# Altium PCB 通讯转换模块-V6.PcbDoc (part 1 of 2)
Units mm, origin at the board's own origin, x right, y up, seen from the top; angles counter-clockwise.
Board outline 99.4 x 81.85 mm, 2 copper layers (Top Layer, Bottom Layer), stack 1.571 mm thick; 126 components, 155 nets, 618 pads, 476 vias.
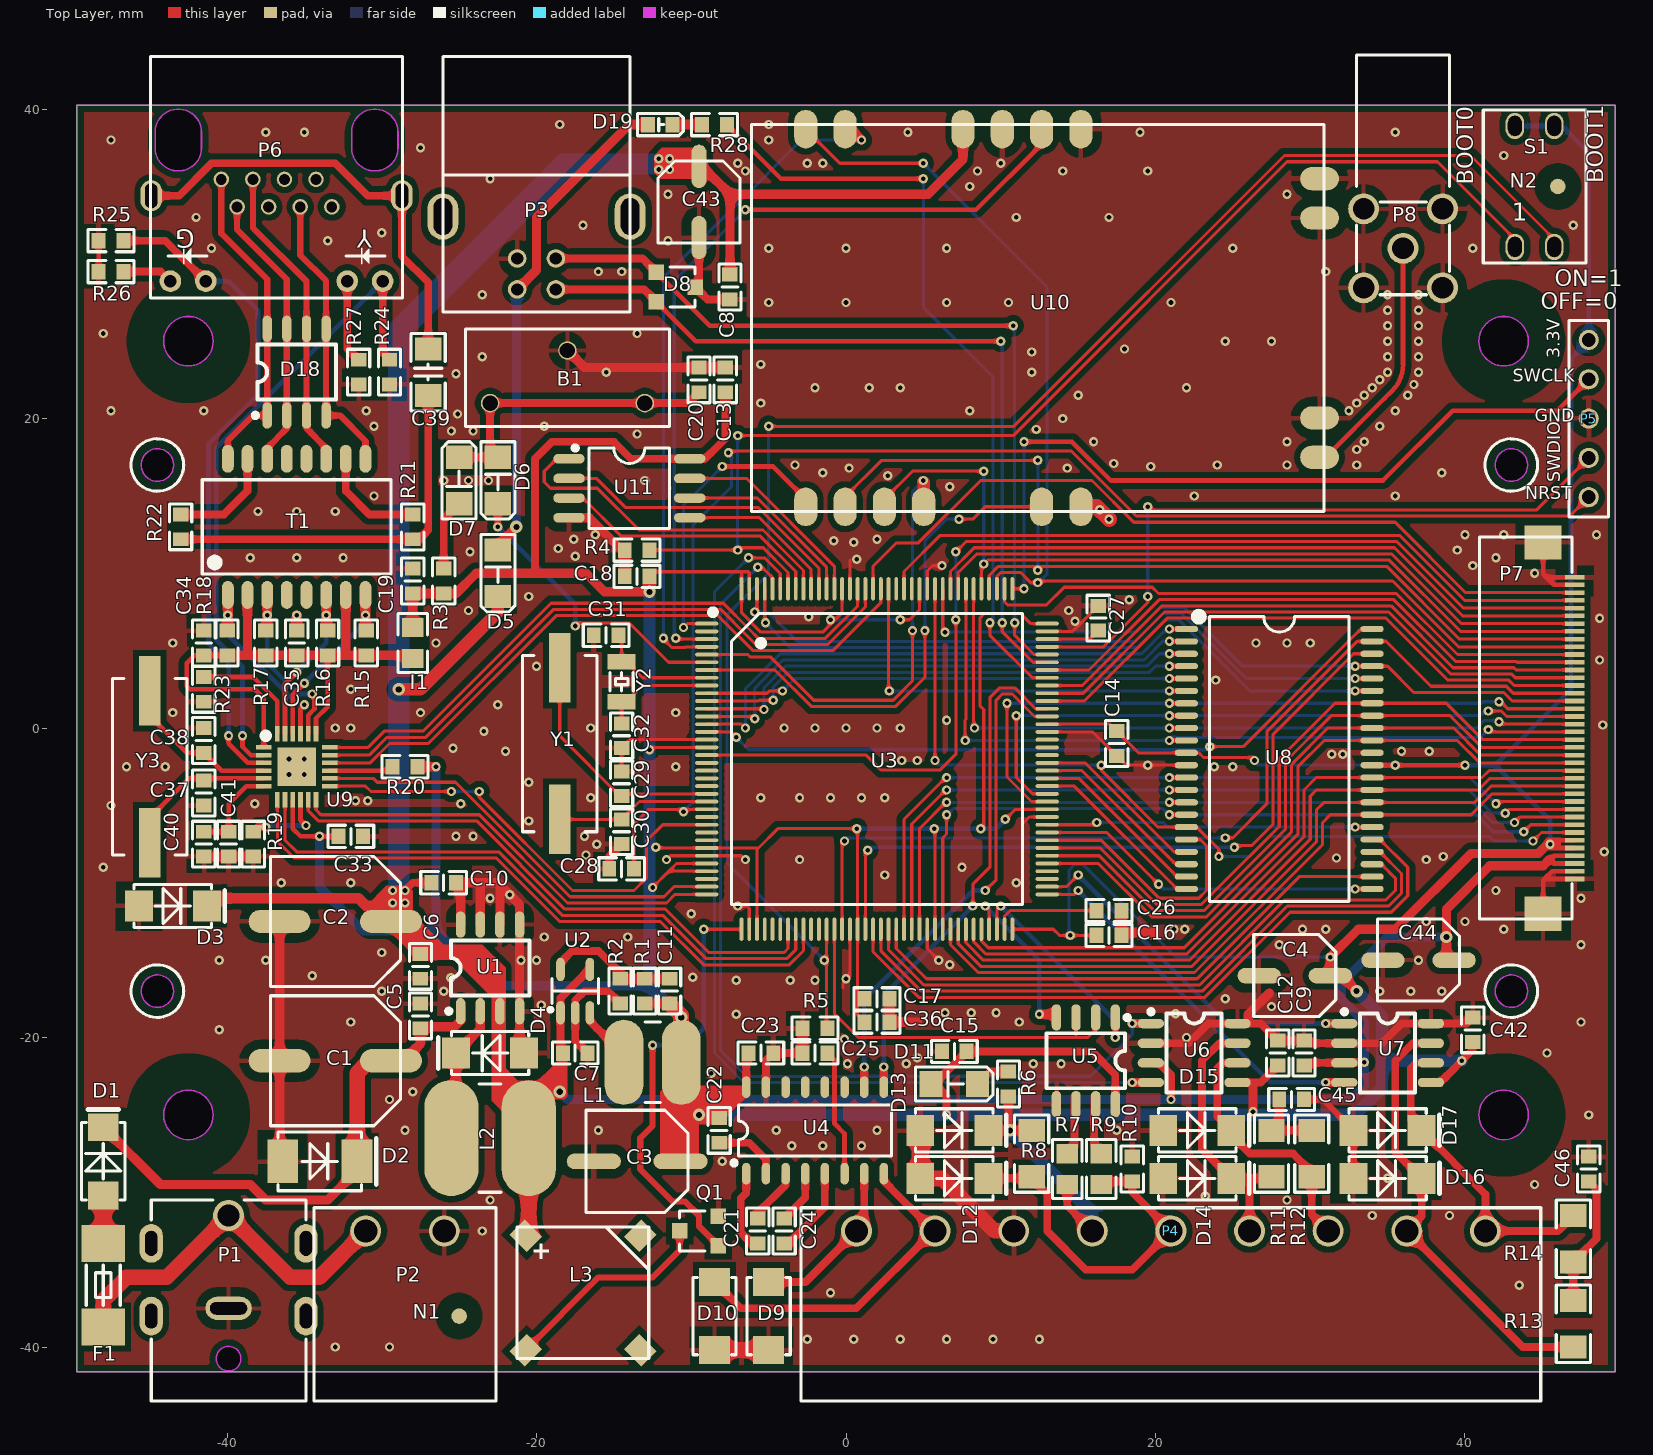
[diagram p0: Top Layer view]
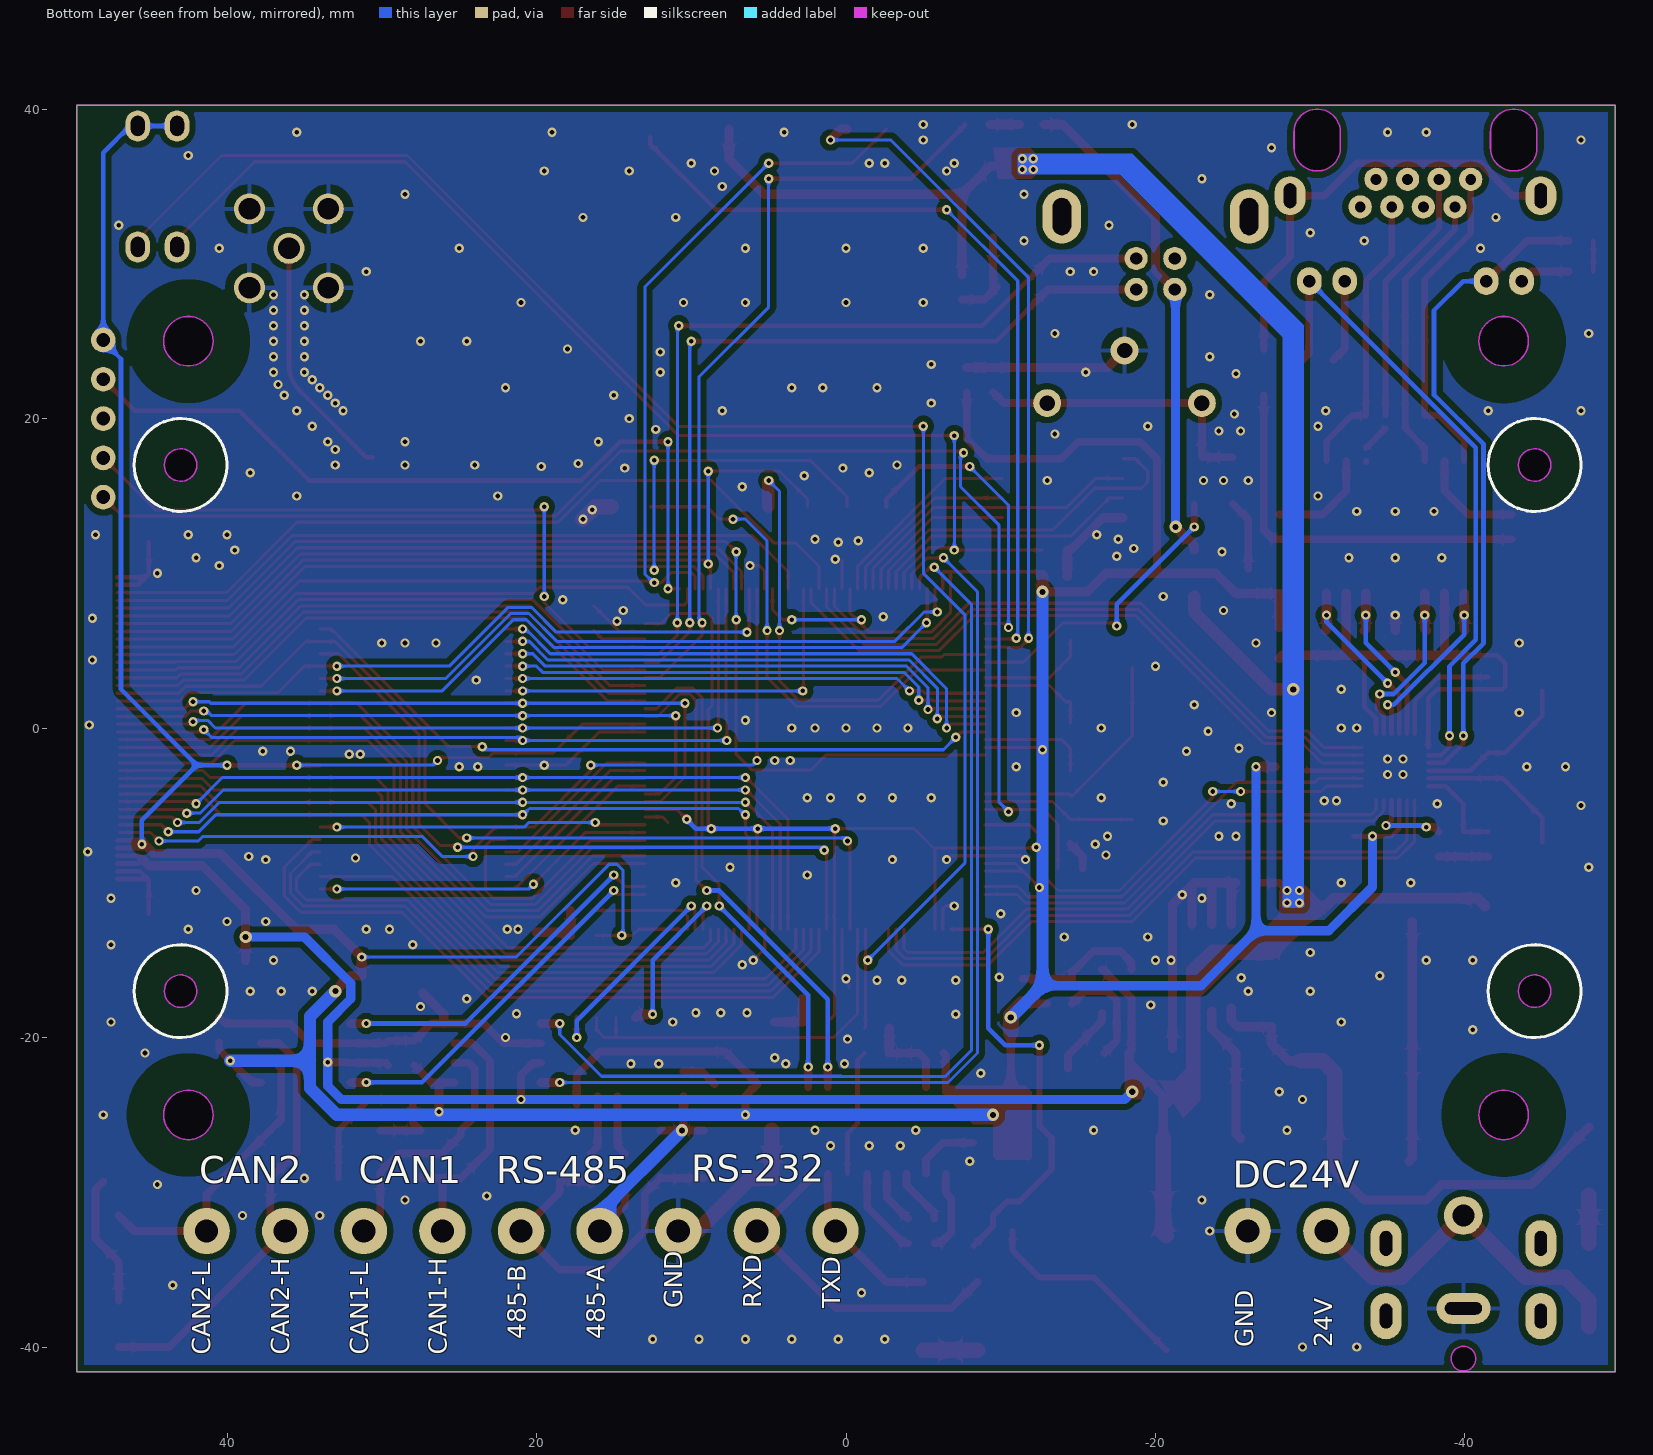
[diagram p1: Bottom Layer view, seen from below]

## Layer stack, top to bottom
Top Solder: solder mask 0.0102, Solder Resist, Dk 3.5
Top Layer: signal copper 0.0356
Dielectric1: dielectric 1.5, FR-4, Dk 4.8
Bottom Layer: signal copper 0.0356
Bottom Solder: solder mask 0.0102, Solder Resist, Dk 3.5

## Board outline
-49.7,-41.6 49.7,-41.6 49.7,40.25 -49.7,40.25
cut-out: 44.05,-17 cw(c43,-17) 43,-18.05 cw(c43,-17) 41.95,-17 cw(c43,-17) 43,-15.95 cw(c43,-17)
cut-out: -45.55,17 ccw(c-44.5,17) -44.5,15.95 ccw(c-44.5,17) -43.45,17 ccw(c-44.5,17) -44.5,18.05 ccw(c-44.5,17)
cut-out: -45.55,-17 ccw(c-44.5,-17) -44.5,-18.05 ccw(c-44.5,-17) -43.45,-17 ccw(c-44.5,-17) -44.5,-15.95 ccw(c-44.5,-17)
cut-out: 40.9,25 ccw(c42.5,25) 42.5,23.4 ccw(c42.5,25) 44.1,25 ccw(c42.5,25) 42.5,26.6 ccw(c42.5,25)
cut-out: 40.9,-25 ccw(c42.5,-25) 42.5,-26.6 ccw(c42.5,-25) 44.1,-25 ccw(c42.5,-25) 42.5,-23.4 ccw(c42.5,-25)
cut-out: -44.1,-25 ccw(c-42.5,-25) -42.5,-26.6 ccw(c-42.5,-25) -40.9,-25 ccw(c-42.5,-25) -42.5,-23.4 ccw(c-42.5,-25)
cut-out: -44.1,25 ccw(c-42.5,25) -42.5,23.4 ccw(c-42.5,25) -40.9,25 ccw(c-42.5,25) -42.5,26.6 ccw(c-42.5,25)
cut-out: 44.05,17 ccw(c43,17) 43,18.05 ccw(c43,17) 41.95,17 ccw(c43,17) 43,15.95 ccw(c43,17)

## Design rules (kind name [scope] priority, off if disabled: settings)
Clearance Clearance敷铜间隔 [InPolygon] p1: gap=0.4
Clearance Clearance通用间隔 [All] p2: gap=0.2
PlaneConnect [All] p1: planeconnectstyle=Relief reliefexpansion=0.508 reliefentries=4 reliefconductorwidth=0.3 reliefairgap=0.3
PolygonConnect PolygonConnect_过孔 [All vs IsVia] p1: connectstyle=Direct reliefconductorwidth=0.254 reliefentries=4 polygonreliefangle="90 Angle" airgapwidth=0.254
PolygonConnect [All] p2: connectstyle=Relief reliefconductorwidth=0.3 reliefentries=4 polygonreliefangle="90 Angle" airgapwidth=0.6
RoutingVias [All] p1: holewidth=0.5 width=1 viastyle="Through Hole" minholewidth=0.4 minwidth=0.8 maxholewidth=10 maxwidth=10
SolderMaskExpansion [All] p1: expansion=0.102
Width [All] p1: maxlimit=10 minlimit=0.2 preferedwidth=0.5
29 further rules are at their usual default settings.

## Components (designator, comment, footprint, x,y, rotation, side; value= is the part's Value field where it differs from the comment)
B1 "CR2032-3V" CR2032电池座-立式 -18,21 r0 top locked
C1 "100UF/50V" 贴片固态电容8*10 -33,-21.5 r180 top
C2 "470UF/16V" 贴片固态电容8*10 -33,-12.5 r180 top
C3 "220UF/10V" 贴片固态电容6.3*7.7 -13.5,-28 r180 top
C4 "100UF/10V" 贴片固态电容5*5.3 29,-16 r180 top
C5 "104" C-0603 -27.5,-18.6 r270 top
C6 "104" C-0603 -27.5,-15.4 r90 top
C7 "104" C-0603 -17.5,-21 r180 top
C8 "104" C-0603 -7.5,28.5 r90 top
C9 "105" C-0603 29.6,-21 r270 top
C10 "104" C-0603 -26,-10 r180 top
C11 "30p" C-0603 -11.4,-17 r270 top
C12 "104" C-0603 27.9,-21 r270 top
C13 "104" C-0603 -7.8,22.5 r270 top
C14 "106" C-0603 17.5,-1 r90 top
C15 "104" C-0603 7,-20.9 r0 top
C16 "104" C-0603 17,-13.4 r180 top
C17 "104" C-0603 2,-17.5 r180 top
C18 "104" C-0603 -13.5,9.8 r0 top
C19 "104" C-0603 -28,9.5 r270 top
C20 "105" C-0603 -9.5,22.5 r270 top
C21 "104" C-0603 -5.7,-32.5 r270 top
C22 "104" C-0603 -8.2,-26 r90 top
C23 "104" C-0603 -5.5,-21 r180 top
C24 "104" C-0603 -4,-32.5 r90 top
C25 "104" C-0603 -2,-21 r0 top
C26 "225" C-0603 17,-11.8 r180 top
C27 "225" C-0603 16.3,7.1 r270 top
C28 "104" C-0603 -14.5,-9.1 r0 top
C29 "15P" C-0603 -14.5,-3.6 r90 top
C30 "15P" C-0603 -14.5,-6.7 r270 top
C31 "15P" C-0603 -15.5,6 r180 top
C32 "15P" C-0603 -14.5,-0.5 r270 top
C33 "104" C-0603 -32,-7 r180 top
C34 "104" C-0603 -41.5,5.5 r270 top
C35 "106" C-0603 -35.5,5.5 r270 top
C36 "105" C-0603 2,-19 r180 top
C37 "15P" C-0603 -41.5,-4.2 r270 top
C38 "15P" C-0603 -41.5,-0.8 r90 top
C39 "102/3KV" C-1206 -27,23 r90 top
C40 "105" C-0603 -41.5,-7.5 r90 top
C41 "471" C-0603 -39.9,-7.5 r90 top
C42 "104" C-0603 40.5,-19.5 r270 top
C43 "100UF/10V" 贴片固态电容5*5.3 -9.5,34 r270 top
C44 "100UF/10V" 贴片固态电容5*5.3 37,-15 r180 top
C45 "104" C-0603 28.8,-24 r180 top
C46 "104" C-0603 48,-28.5 r270 top
D1 "M7" SMA -48,-28 r270 top
D2 "SMBJ24A" SMB -34,-28 r180 top
D3 "SMAJ5.0A" SMA -43.5,-11.5 r180 top
D4 "SS26" SMA -23,-21 r0 top
D5 "SS12" D-1206 -22.5,10 r90 top
D6 "SS12" D-1206 -22.5,16 r90 top
D7 "SS12" D-1206 -25,16 r270 top
D8 "LGSOT05CLT1G" SOT-23 -11,28.5 r180 top
D9 "SMAJ15CA" SMA无极性 -5,-38 r90 top
D10 "SMAJ15CA" SMA无极性 -8.5,-38 r90 top
D11 "SS12" D-1206 7,-23 r180 top
D12 "SMAJ5.0A" SMA 7,-29.1 r180 top
D13 "SMAJ5.0A" SMA 7,-26 r180 top
D14 "SMAJ5.0A" SMA 22.7,-29.1 r180 top
D15 "SMAJ5.0A" SMA 22.7,-26 r180 top
D16 "SMAJ5.0A" SMA 35,-29.1 r180 top
D17 "SMAJ5.0A" SMA 35,-26 r180 top
D18 "SLVU2.8-4" SOP-8-N -35.5,23 r0 top
D19 "USB插入指示" LED-0603-Red -12,39 r180 top
F1 "0.5A" FUSE-1808 -48,-36 r90 top
I1 "220Ω@100MHz 2A" L-0805 -28,5.5 r90 top
L1 "4.7UH" CD54 -12.5,-21.6 r0 top
L2 "150UH" CD75 -23,-26.5 r0 top
L3 "Bell" "蜂鸣器 YH-8503-A" -17,-36.5 r270 top
N1 "光学定位点" MARK-1mm-3mm -25,-38 r0 top
N2 "光学定位点" MARK-1mm-3mm 46,35 r0 top
P1 "DC-007B-5.5*2.5" DC-007B -39.9,-43.5 r180 top
P2 "DC24V-IN" KF2EDG5.08V-2P-有挡边-卧式 -28.5,-32.5 r0 top
P3 "MUSB2.0" USB1.1-插件-母座 -20,30.7 r0 top locked
P4 "通讯" KF2EDG5.08V-9P-有挡边-卧式 21,-32.5 r0 top locked
P5 "ST-Link" HDR1X5 48,20 r270 top
P6 "网络变压器带灯" RJ45-8P8C-56带灯 -36.8,38 r180 top
P7 "" FPC-0.5MM_40P下接翻盖 46,0 r90 top locked
P8 "SMA-KWE" SMA-KWE 36,31 r0 top
Q1 "2N7002" SOT-23 -9.5,-32.5 r0 top
R1 "540K" R-0603 -13,-17 r270 top
R2 "120K" R-0603 -14.6,-17 r90 top
R3 "10K" R-0603 -26,9.5 r270 top
R4 "10K" R-0603 -13.5,11.5 r0 top
R5 "10K" R-0603 -2,-19.4 r0 top
R6 "1K" R-0603 10.5,-23 r270 top
R7 "10" R-0805 14.3,-28.5 r90 top
R8 "330" R-1206 12,-27.5 r270 top
R9 "10" R-0805 16.5,-28.5 r90 top
R10 "1K" R-0603 18.5,-28.5 r270 top
R11 "62" R-1206 27.5,-27.5 r90 top
R12 "62" R-1206 30.1,-27.5 r270 top
R13 "62" R-1206 47,-38.5 r90 top
R14 "62" R-1206 47,-33 r90 top
R15 "49.9" R-0603 -31,5.5 r270 top
R16 "49.9" R-0603 -33.5,5.5 r270 top
R17 "49.9" R-0603 -37.5,5.5 r270 top
R18 "49.9" R-0603 -40,5.5 r270 top
R19 "10K" R-0603 -38.3,-7.5 r270 top
R20 "10K" R-0603 -28.5,-2.5 r0 top
R21 "75-1%" R-0603 -28,13 r270 top
R22 "75-1%" R-0603 -43,13 r90 top
R23 "12.1K" R-0603 -41.5,2.5 r270 top
R24 "10K" R-0603 -29.5,23 r270 top
R25 "10K" R-0603 -47.5,31.5 r180 top
R26 "470" R-0603 -47.5,29.5 r0 top
R27 "470" R-0603 -31.5,23 r270 top
R28 "470" R-0603 -8.5,39 r0 top
S1 "SW-DIP2" SW-红色拨码开关2P 44.5,35 r0 top
T1 "H1102" H1102 -35.5,13 r0 top
U1 "XL1509-5.0" SOP-8-N -23,-15.5 r0 top
U2 "PAM2312AABADJ" SOT-23-5-M -17.5,-17 r270 top
U3 "STM32F407ZGT6" TQFP-144-L 2,-2 r270 top locked
U4 "MAX3232" SOP-16-N -2,-26 r0 top
U5 "TP8485E-SR" SOP-8-N 15.5,-21.5 r180 top
U6 "TJA1051T/3" SOP-8-N 22.5,-21 r270 top
U7 "TJA1051T/3" SOP-8-N 35,-21 r270 top
U8 "IS62WV51216BLL-55TLI" TSOP2-44-L 28,-2 r270 top locked
U9 "LAN8720A-CP-TR" QFN-24 -35.5,-2.5 r270 top
U10 "E10-433MS1W" E10-433MS1W 14,26.5 r0 top locked
U11 "W25Q128FV" SOIC-8-M -14,15.5 r270 top
Y1 "8M" HC-49SMD -18.5,-1 r90 top
Y2 "32.768K" FC135 -14.5,3 r90 top
Y3 "25M" HC-49SMD -45,-2.5 r270 top

## Footprints (in the part's own frame and the unit in brackets; to place one, negate y for a bottom-side part, rotate by r counter-clockwise, add the part's x,y. Pads: shape width x height; smd on the part's side, far side on the other; paste and mask are expansions set on the pad)
C-0603 [mm]
  rect 0.9x1 smd: 1(-0.8,0) 2(0.8,0)
  silkscreen extent -1.48,-0.72 1.48,0.72, body extent -0.8,-0.4 0.8,0.4, height 0.6
C-1206 [mm]
  rect 1.5x1.7 smd: 1(-1.5,0) 2(1.5,0)
  silkscreen extent -2.5,-1.1 2.5,1.1, body extent -1.6,-0.8 1.6,0.8, height 0.95
CD54 [mm]
  oval 2.5x5.5 smd: 1(-1.85,0) 2(1.85,0)
  silkscreen extent -0.5,-2.6 0.5,2.6, body extent -2.75,-2.6 2.75,2.6, height 4.6
CD75 [mm]
  oval 3.5x7.5 smd: 1(-2.5,0) 2(2.5,0)
  silkscreen extent -0.7,-3.5 0.7,3.5, body extent -3.83,-3.5 3.83,3.5, height 5.06
CR2032电池座-立式 [mm]
  round 1.2 / inner round 1.2 / far side round 1.8 hole 1: 1(-5,0) 1(5,0) 2(0,3.4)
  silkscreen extent -6.6,-1.5 6.6,4.8, body extent -11.55,-1.5 11.55,4.9, height 18.41
D-1206 [mm] "4148"
  rect 1.5x1.7 smd: 1(1.5,0) 2(-1.5,0)
  silkscreen extent -2.5,-1.1 2.5,1.1, body extent -1.85,-0.8 1.85,0.8, height 1.28
DC-007B [mm]
  round 2 / inner round 2 / far side round 2.5 hole 1.4: 1(0,-12)
  oval 3x1.5 / inner oval 3x2 / far side oval 3.5x2 hole 0.8 slot 2.4 at 0 deg: 2(0,-6)
  oval 1.5x2.5 / inner oval 1.5x2.5 / far side oval 2x3 hole 0.8 slot 1.6 at 90 deg: 3(-5,-5.5) 3(-5,-10.2) 3(5,-5.5) 3(5,-10.2)
  Keep-Out Layer board cut-out: 0,-3.55 -0.306,-3.489 -0.566,-3.316 -0.739,-3.056 -0.8,-2.75 -0.8,-2.75 -0.739,-2.444 -0.566,-2.184 -0.306,-2.011 0,-1.95 0,-1.95 0.306,-2.011 0.566,-2.184 0.739,-2.444 0.8,-2.75 0.8,-2.75 0.739,-3.056 0.566,-3.316 0.306,-3.489 0,-3.55
  Keep-Out Layer circle w0.1: c0,-2.75 r0.8
  silkscreen extent -5,-13 5,0, body extent -5,-13 5,0, height 10
E10-433MS1W [mm] "433M无线模块"
  oval 1.5x2.5 smd: 1(1.18,-12.2) 2(-1.36,-12.2) 5(-8.98,-12.2) 6(-11.52,-12.2) 7(-14.06,-12.2) 8(-16.6,-12.2) 9(-16.6,12.2) 10(-14.06,12.2) 13(-6.44,12.2) 14(-3.9,12.2) 15(-1.36,12.2) 16(1.18,12.2)
  oval 2.5x1.5 smd: 17(16.6,9) 18(16.6,6.46) 19(16.6,-6.46) 20(16.6,-9)
  silkscreen extent -20.1,-12.5 16.9,12.5, body extent -20.1,-12.5 16.9,12.5, height 4.3
FC135 [mm]
  rect 1x1.8 smd: 1(-1.3,0) 2(1.3,0)
  silkscreen extent -0.6,-0.75 0.6,0.75, body extent -1.61,-0.76 1.61,0.76, height 1.01
FPC-0.5MM_40P下接翻盖 [mm]
  rect 0.3x1.25 smd: 1(-9.75,-1.1) 2(-9.25,-1.1) 3(-8.75,-1.1) 4(-8.25,-1.1) 5(-7.75,-1.1) 6(-7.25,-1.1) 7(-6.75,-1.1) 8(-6.25,-1.1) 9(-5.75,-1.1) 10(-5.25,-1.1) 11(-4.75,-1.1) 12(-4.25,-1.1) 13(-3.75,-1.1) 14(-3.25,-1.1) 15(-2.75,-1.1) 16(-2.25,-1.1) 17(-1.75,-1.1) 18(-1.25,-1.1) 19(-0.75,-1.1) 20(-0.25,-1.1) 21(0.25,-1.1) 22(0.75,-1.1) 23(1.25,-1.1) 24(1.75,-1.1) 25(2.25,-1.1) 26(2.75,-1.1) 27(3.25,-1.1) 28(3.75,-1.1) 29(4.25,-1.1) 30(4.75,-1.1) 31(5.25,-1.1) 32(5.75,-1.1) 33(6.25,-1.1) 34(6.75,-1.1) 35(7.25,-1.1) 36(7.75,-1.1) 37(8.25,-1.1) 38(8.75,-1.1) 39(9.25,-1.1) 40(9.75,-1.1)
  rect 2.2x2.4 smd: 41(12,0.95) 42(-12,0.95)
  silkscreen extent -12.35,-0.91 12.35,5.05, body extent -12.45,-1.4 12.45,5.8, height 2.5
FUSE-1808 [mm]
  rect 2.4x2.8 smd: 1(-2.7,0) 2(2.7,0)
  silkscreen extent -1.3,-1.1 1.3,1.1, body extent -3,-1.3 3,1.3, height 2.6
H1102 [mm]
  oval 0.76x1.8 smd: 1(-4.445,-4.4) 2(-3.175,-4.4) 3(-1.905,-4.4) 4(-0.635,-4.4) 5(0.635,-4.4) 6(1.905,-4.4) 7(3.175,-4.4) 8(4.445,-4.4) 9(4.445,4.4) 10(3.175,4.4) 11(1.905,4.4) 12(0.635,4.4) 13(-0.635,4.4) 14(-1.905,4.4) 15(-3.175,4.4) 16(-4.445,4.4)
  silkscreen extent -6.1,-3.05 6.1,3.05, body extent -6.1,-3.5 6.1,3.5, height 6
HC-49SMD [mm]
  rect 4.5x1.4 smd: 1(-4.9,0) 2(4.9,0)
  silkscreen extent -5.7,-2.4 5.7,2.4, body extent -6.7,-2.46 6.7,2.44, height 4
HDR1X5 [mm] "Connector; Header; 5 Position"
  round 1.3 / inner round 1.6 / far side round 1.6 hole 0.9: 1(-5.08,0) 2(-2.54,0) 3(0,0) 4(2.54,0) 5(5.08,0)
  silkscreen extent -6.35,-1.27 6.35,1.27, body extent -6.35,-1.27 6.35,1.27, height 10.12
KF2EDG5.08V-2P-有挡边-卧式 [mm]
  round 2 / inner round 3 / far side round 3 hole 1.5: 1(-2.54,0) 2(2.54,0)
  silkscreen extent -5.88,-11 5.88,1.5, body extent -5,-11 5,3.5, height 8.48
KF2EDG5.08V-9P-有挡边-卧式 [mm]
  round 2 / inner round 3 / far side round 3 hole 1.5: 1(-20.32,0) 2(-15.24,0) 3(-10.16,0) 4(-5.08,0) 5(0,0) 6(5.08,0) 7(10.16,0) 8(15.24,0) 9(20.32,0)
  silkscreen extent -23.9,-11 23.9,1.5, body extent -22.86,-11 22.86,3.5, height 8.48
L-0805 [mm]
  rect 1.25x1.4 smd: 1(-1,0) 2(1,0)
  silkscreen extent -1.9,-0.95 1.9,0.95, body extent -1,-0.6 1,0.6, height 0.95
LED-0603-Red [mm]
  rect 0.9x1 smd: 1(0.8,0) 2(-0.8,0)
  silkscreen extent -1.48,-0.72 1.48,0.72, body extent -0.81,-0.4 0.81,0.4, height 0.6
MARK-1mm-3mm [mm]
  round 1 smd paste-0.6 mask+1: 1(0,0)
  Top Layer pour cut-out: -1.5,0 -1.386,-0.574 -1.061,-1.061 -0.574,-1.386 0,-1.5 0,-1.5 0.574,-1.386 1.061,-1.061 1.386,-0.574 1.5,0 1.5,0 1.386,0.574 1.061,1.061 0.574,1.386 0,1.5 0,1.5 -0.574,1.386 -1.061,1.061 -1.386,0.574 -1.5,0
QFN-24 [mm]
  rect 0.3x1 smd: 1(-1.25,-2.125) 2(-0.75,-2.125) 3(-0.25,-2.125) 4(0.25,-2.125) 5(0.75,-2.125) 6(1.25,-2.125) 13(1.25,2.125) 14(0.75,2.125) 15(0.25,2.125) 16(-0.25,2.125) 17(-0.75,2.125) 18(-1.25,2.125)
  rect 1x0.3 smd: 7(2.125,-1.25) 8(2.125,-0.75) 9(2.125,-0.25) 10(2.125,0.25) 11(2.125,0.75) 12(2.125,1.25) 19(-2.125,1.25) 20(-2.125,0.75) 21(-2.125,0.25) 22(-2.125,-0.25) 23(-2.125,-0.75) 24(-2.125,-1.25)
  rect 2.5x2.5 smd: 25(0,0)
  silkscreen extent -2.2,-2.2 -1.8,-1.8, body extent -2,-2 2,2, height 0.9
R-0603 [mm]
  rect 0.9x1 smd: 1(-0.8,0) 2(0.8,0)
  silkscreen extent -1.48,-0.72 1.48,0.72, body extent -0.8,-0.4 0.8,0.4, height 0.45
R-0805 [mm]
  rect 1.25x1.4 smd: 1(-1,0) 2(1,0)
  silkscreen extent -1.9,-0.95 1.9,0.95, body extent -1,-0.63 1,0.63, height 0.55
R-1206 [mm]
  rect 1.5x1.7 smd: 1(-1.5,0) 2(1.5,0)
  silkscreen extent -2.5,-1.1 2.5,1.1, body extent -1.6,-0.8 1.6,0.8, height 0.6
RJ45-8P8C-56带灯 [mm]
  round 1 / inner round 1.3 / far side round 1.5 hole 0.7: 1(3.57,2.54) 2(2.55,4.32) 3(1.53,2.54) 4(0.51,4.32) 5(-0.51,2.54) 6(-1.53,4.32) 7(-2.55,2.54) 8(-3.57,4.32)
  round 1.4 / inner round 1.6 / far side oval 1.6x1.8 hole 0.8: 9(-6.86,9.12) 10(-4.57,9.12) 11(4.57,9.12) 12(6.86,9.12)